# Altium PCB final_clock.PcbDoc (part 2 of 2)
Units mil, origin at the board's own origin, x right, y up, seen from the top; angles counter-clockwise.
Board outline 7111.84 x 2071.84 mil, 2 copper layers (Top Layer, Bottom Layer); 93 components, 137 nets, 490 pads, 222 vias.
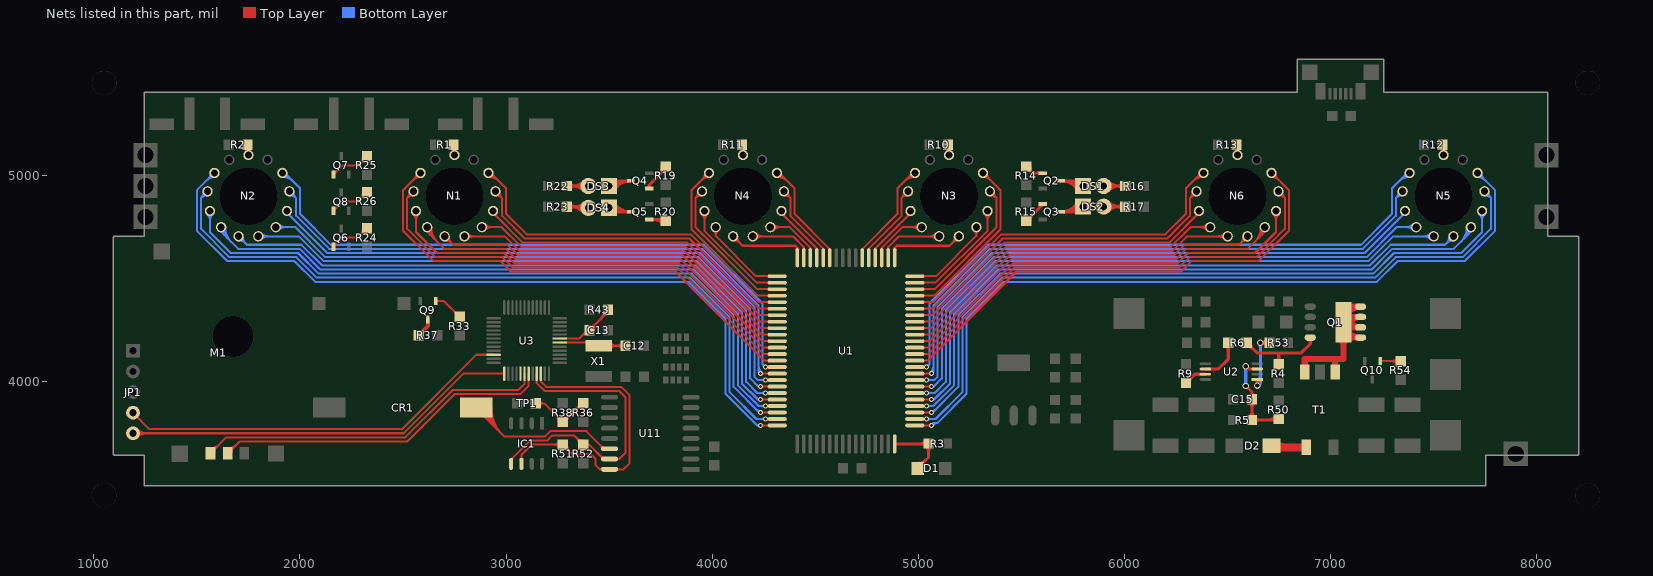
[diagram p2: the nets of this part, all layers, seen from the top]

## Via types
v1: diameter 30, hole 20, Top Layer to Bottom Layer, 170 vias
v2: diameter 25, hole 15, Top Layer to Bottom Layer, 28 vias
v3: diameter 20, hole 12, Top Layer to Bottom Layer, 20 vias
v4: diameter 40, hole 30, Top Layer to Bottom Layer, 4 vias

## Nets (pads, with @x,y where several pads share a name; then routed paths per layer and width w, separated by ;. In a path a pad name is that pad's centre, name@x,y a point inside that pad or via, vN(x,y) a via of type N, cw(c..) or ccw(c..) an arc to the next point about the centre after c; other vN are vias at no path point) (continued)
NetC12_2: C12.2 U3.6 X1.2 | length 525.8
  Top Layer w10: U3.6@3260.45,4190.16 3434.65,4190.16 X1.2@3450,4174.8 3554.8,4174.8 ; X1.2@3496.28,4165.92 cw(c3517.72,4144.48) 3517.72,4174.8 cw(c3517.72,4205.12) X1.2@3496.28,4183.68 ; X1.2@3503.35,4158.85 cw(c3541.86,4120.34) 3541.86,4174.8 cw(c3541.86,4229.27) X1.2@3503.35,4190.75 ; 3531.24,4174.8 ccw(c3531.24,4223.76) C12.2@3565.86,4189.14 ; 3532.19,4174.8 cw(c3532.19,4127.19) C12.2@3565.86,4160.86 ; C12.2@3555,4175 3554.8,4174.8 ; C12.2@3560.48,4179.35 cw(c3554.8,4180.62) 3554.8,4174.8 ; C12.2@3560.57,4170.27 ccw(c3554.8,4168.87) 3554.8,4174.8
NetC13_2: C13.2 R43.1 U3.7 | length 485.1
  Top Layer w10: U3.7@3260.45,4209.84 3354.84,4209.84 C13.2@3400,4255 ; C13.2@3405,4250 3495,4340 R43.1@3495,4350 ; C13.2@3405,4270 ccw(c3405,4318.28) 3439.14,4284.14 ccw(c3473.28,4250) C13.2@3425,4250 ; 3453.79,4298.79 ccw(c3402.57,4350) R43.1@3475,4350 ; 3470.86,4315.86 ccw(c3436.72,4350) R43.1@3485,4350 ; 3477.93,4322.93 cw(c3495,4305.86) R43.1@3495,4330
NetC15_1: C15.1 R5.2 R50.1 U2.3 | length 895.9
  Top Layer w15: v1@6590,3972.5 cw(c6590,3954.39) 6602.8,3967.2 cw(c6615.61,3980) v1@6597.5,3980 ; v1(6590,3980) 6620,3950 ; v1@6590,4067.5 cw(c6590,4049.39) 6602.8,4062.2 cw(c6615.61,4075) v1@6597.5,4075 ; v1(6590,4075) 6602.83,4062.17 U2.3@6645.98,4062.17 ; R5.2@6607.63,3826.74 ccw(c6577.75,3856.62) 6620,3856.62 ccw(c6662.25,3856.62) 6632.37,3826.74 ccw(c6662.25,3856.62) 6662.25,3814.37 ccw(c6662.25,3772.12) R5.2@6632.37,3802 ; C15.1@6607.63,3902 cw(c6577.75,3872.12) 6620,3872.12 cw(c6662.25,3872.12) C15.1@6632.37,3902 ; C15.1@6609.3,3928.22 ccw(c6592.48,3950) 6620,3950 ; C15.1@6630.7,3928.22 cw(c6647.52,3950) 6620,3950 ; 6695.68,3814.37 ccw(c6695.68,3873.69) R50.1@6737.63,3831.74 ; 6719.82,3814.37 cw(c6719.82,3789.19) R50.1@6737.63,3807 ; R50.1@6750,3819.37 6745,3814.37 R5.2@6620,3814.37 C15.1@6620,3914.37 6620,3950
  Bottom Layer w15: v1@6584.7,3985.3 ccw(c6571.89,3998.11) 6590,3998.11 ccw(c6608.11,3998.11) v1@6595.3,3985.3 ; v1@6584.7,4069.7 cw(c6571.89,4056.89) 6590,4056.89 cw(c6608.11,4056.89) v1@6595.3,4069.7 ; v1(6590,3980) v1(6590,4075)
NetCR1_1: CR1.1 U11.14 | length 1409.2
  Top Layer w10: CR1.1@2855,3875 2855,3870 2990,3735 3190,3735 3215,3760 3390,3760 3475,3675 U11.14@3502.17,3675 ; CR1.1@2878.74,3875 ccw(c2948.12,3875) CR1.1@2899.06,3825.94 ; CR1.1@2884.53,3830.79 cw(c2884.53,3807.41) 2901.06,3823.94 ; CR1.1@2888.74,3875 ccw(c2982.27,3875) 2916.13,3808.87 ; CR1.1@2898.74,3875 ccw(c3016.41,3875) 2933.2,3791.8 ; CR1.1@2908.74,3875 ccw(c3050.55,3875) 2950.28,3774.72 ; CR1.1@2918.74,3875 ccw(c3084.69,3875) 2967.35,3757.65 ; CR1.1@2928.74,3875 ccw(c3118.84,3875) 2984.42,3740.58 ; 3459.34,3690.66 cw(c3443.68,3675) U11.14@3465.83,3675 ; 3465.04,3684.96 ccw(c3472.64,3692.55) U11.14@3472.64,3681.81
NetD1_2: D1.2 R3.2 U1.40 | length 524.3
  Top Layer w10: R3.2@5048.23,3698.23 R3.2@5050,3700
  Top Layer w15: U1.40@4886.22,3698.23 R3.2@5048.23,3698.23 ; D1.2@4997.5,3580 5050,3632.5 R3.2@5050,3700 ; D1.2@4997.5,3604 ccw(c4997.5,3661.93) 5038.46,3620.96 ; 5003.47,3698.23 ccw(c5003.47,3746.53) R3.2@5037.63,3712.37 ; 5012.03,3698.23 cw(c5012.03,3662.03) 5037.63,3687.63 cw(c5007.75,3657.75) 5050,3657.75 cw(c5092.25,3657.75) R3.2@5062.37,3687.63 ; D1.2@5020,3581.5 cw(c5070.71,3581.5) 5034.85,3617.35
NetD2_1: D2.1 T1.4 | length 220.9
  Top Layer w40: D2.1@6715.55,3689.37 6723.62,3681.3 T1.4@6884.06,3681.3 ; D2.1@6734.63,3699.59 ccw(c6778.78,3743.74) 6778.78,3681.3
NetDS1_1: DS1.1 Q2.3 | length 342.3
  Top Layer w15: 5722.18,4975 cw(c5722.18,4898.61) DS1.1@5785.92,4940.7 ; 5750.06,4975 cw(c5750.06,4917.02) DS1.1@5798.44,4948.97 ; DS1.1@5773.4,4932.44 ccw(c5694.3,4880.2) Q2.3@5694.29,4975 5775,4975 DS1.1@5800,4950
NetDS1_2: DS1.2 R16.2 | length 356.2
  Top Layer w15: DS1.2@5900,4950 R16.2@6005,4950 ; DS1.2@5911.93,4938.07 cw(c5940.73,4909.27) 5940.73,4950 cw(c5940.73,4990.73) DS1.2@5911.93,4961.93 ; DS1.2@5922.54,4927.46 cw(c5976.94,4873.06) 5976.94,4950 cw(c5976.94,5026.94) DS1.2@5922.54,4972.54 ; R16.2@5992.63,4937.63 ccw(c5962.75,4907.75) 5962.75,4950 ccw(c5962.75,4992.25) R16.2@5992.63,4962.37
NetDS2_1: DS2.1 Q3.3 | length 342.3
  Top Layer w15: 5722.18,4825 ccw(c5722.18,4901.39) DS2.1@5785.92,4859.3 ; 5750.06,4825 ccw(c5750.06,4882.98) DS2.1@5798.44,4851.03 ; DS2.1@5773.4,4867.56 cw(c5694.3,4919.8) Q3.3@5694.29,4825 5775,4825 DS2.1@5800,4850
NetDS2_2: DS2.2 R17.2 | length 356.2
  Top Layer w15: DS2.2@5900,4850 R17.2@6005,4850 ; DS2.2@5911.93,4838.07 cw(c5940.73,4809.27) 5940.73,4850 cw(c5940.73,4890.73) DS2.2@5911.93,4861.93 ; DS2.2@5922.54,4827.46 cw(c5976.94,4773.06) 5976.94,4850 cw(c5976.94,4926.94) DS2.2@5922.54,4872.54 ; R17.2@5992.63,4837.63 ccw(c5962.75,4807.75) 5962.75,4850 ccw(c5962.75,4892.25) R17.2@5992.63,4862.37
NetDS3_1: DS3.1 Q4.3 | length 306.9
  Top Layer w15: DS3.1@3501.56,4948.97 cw(c3549.94,4917.02) 3549.94,4975 ; DS3.1@3514.08,4940.7 cw(c3577.82,4898.61) 3577.82,4975 ; DS3.1@3525,4975 Q4.3@3605.71,4975 ccw(c3605.7,4880.2) DS3.1@3526.6,4932.44
NetDS3_2: DS3.2 R22.2 | length 356.2
  Top Layer w15: R22.2@3295,4950 DS3.2@3400,4950 ; R22.2@3307.37,4937.63 cw(c3337.25,4907.75) 3337.25,4950 cw(c3337.25,4992.25) R22.2@3307.37,4962.37 ; DS3.2@3377.46,4927.46 ccw(c3323.06,4873.06) 3323.06,4950 ccw(c3323.06,5026.94) DS3.2@3377.46,4972.54 ; DS3.2@3388.07,4938.07 ccw(c3359.27,4909.27) 3359.27,4950 ccw(c3359.27,4990.73) DS3.2@3388.07,4961.93
NetDS4_1: DS4.1 Q5.3 | length 298.1
  Top Layer w15: DS4.1@3501.46,4845.26 ccw(c3543.48,4878.7) 3543.48,4825 ; DS4.1@3513.2,4854.6 ccw(c3574.59,4903.47) 3574.59,4825 ; DS4.1@3519.09,4825 Q5.3@3605.71,4825 cw(c3605.7,4928.23) DS4.1@3524.94,4863.94
NetDS4_2: DS4.2 R23.2 | length 334.1
  Top Layer w15: R23.2@3295,4850 DS4.2@3394.09,4850 ; R23.2@3307.37,4837.63 cw(c3337.25,4807.75) 3337.25,4850 cw(c3337.25,4892.25) R23.2@3307.37,4862.37 ; R23.2@3308.8,4850 cw(c3308.8,4752.9) DS4.2@3377.46,4821.56 ; 3337.32,4850 ccw(c3337.32,4906.78) DS4.2@3377.46,4866.63 ; 3345.01,4850 cw(c3345.01,4789.11) DS4.2@3388.07,4832.17
NetN1_1: N1.1 R1.1 | length 204.3
  Top Layer w15: R1.1@2733.35,5136.95 cw(c2700.15,5099.75) N1.1@2750,5099.75 ; N1.1@2737.63,5112.37 ccw(c2707.75,5142.25) 2750,5142.25 ccw(c2792.25,5142.25) N1.1@2762.37,5112.37 ; N1.1@2739.56,5114.04 ccw(c2733.51,5122.17) 2743.29,5124.79 ccw(c2753,5127.39) N1.1@2751.91,5117.4 ; R1.1@2745,5150 2750,5145 N1.1@2750,5100 ; N1.1@2750,5119.82 cw(c2775.18,5119.82) R1.1@2757.37,5137.63
NetN2_1: N2.1 R2.1 | length 204.3
  Top Layer w15: R2.1@1733.35,5136.95 cw(c1700.15,5099.75) N2.1@1750,5099.75 ; N2.1@1737.63,5112.37 ccw(c1707.75,5142.25) 1750,5142.25 ccw(c1792.25,5142.25) N2.1@1762.37,5112.37 ; N2.1@1739.56,5114.04 ccw(c1733.51,5122.17) 1743.29,5124.79 ccw(c1753,5127.39) N2.1@1751.91,5117.4 ; R2.1@1745,5150 1750,5145 N2.1@1750,5100 ; N2.1@1750,5119.82 cw(c1775.18,5119.82) R2.1@1757.37,5137.63
NetN3_1: N3.1 R10.1 | length 204.3
  Top Layer w15: R10.1@5133.35,5136.95 cw(c5100.15,5099.75) N3.1@5150,5099.75 ; N3.1@5137.63,5112.37 ccw(c5107.75,5142.25) 5150,5142.25 ccw(c5192.25,5142.25) N3.1@5162.37,5112.37 ; N3.1@5139.56,5114.04 ccw(c5133.51,5122.17) 5143.29,5124.79 ccw(c5153,5127.39) N3.1@5151.91,5117.4 ; R10.1@5145,5150 5150,5145 N3.1@5150,5100 ; N3.1@5150,5119.82 cw(c5175.18,5119.82) R10.1@5157.37,5137.63
NetN4_1: N4.1 R11.1 | length 204.3
  Top Layer w15: R11.1@4133.35,5136.95 cw(c4100.15,5099.75) N4.1@4150,5099.75 ; N4.1@4137.63,5112.37 ccw(c4107.75,5142.25) 4150,5142.25 ccw(c4192.25,5142.25) N4.1@4162.37,5112.37 ; N4.1@4139.56,5114.04 ccw(c4133.51,5122.17) 4143.29,5124.79 ccw(c4153,5127.39) N4.1@4151.91,5117.4 ; R11.1@4145,5150 4150,5145 N4.1@4150,5100 ; N4.1@4150,5119.82 cw(c4175.18,5119.82) R11.1@4157.37,5137.63
NetN5_1: N5.1 R12.1 | length 204.3
  Top Layer w15: R12.1@7533.35,5136.95 cw(c7500.15,5099.75) N5.1@7550,5099.75 ; N5.1@7537.63,5112.37 ccw(c7507.75,5142.25) 7550,5142.25 ccw(c7592.25,5142.25) N5.1@7562.37,5112.37 ; N5.1@7539.56,5114.04 ccw(c7533.51,5122.17) 7543.29,5124.79 ccw(c7553,5127.39) N5.1@7551.91,5117.4 ; R12.1@7545,5150 7550,5145 N5.1@7550,5100 ; N5.1@7550,5119.82 cw(c7575.18,5119.82) R12.1@7557.37,5137.63
NetN6_1: N6.1 R13.1 | length 197.3
  Top Layer w15: R13.1@6533.35,5136.95 cw(c6500.15,5099.75) N6.1@6550,5099.75 ; N6.1@6537.63,5112.37 ccw(c6507.75,5142.25) 6550,5142.25 ccw(c6592.25,5142.25) N6.1@6562.37,5112.37 ; N6.1@6539.56,5114.04 ccw(c6533.51,5122.17) 6543.29,5124.79 ccw(c6553,5127.39) N6.1@6551.91,5117.4 ; N6.1@6550,5100 R13.1@6550,5145 ; N6.1@6550,5119.82 cw(c6575.18,5119.82) R13.1@6557.37,5137.63
NetQ1_4: Q1.4 R4.2 R6.2 | length 598.2
  Top Layer w15: R6.2@6595,4171.87 cw(c6595,4129.62) 6624.87,4159.5 cw(c6654.75,4189.37) R6.2@6612.5,4189.37 ; R6.2@6595,4189.37 6644.37,4140 6752.19,4140 ; R4.2@6737.63,4096.74 ccw(c6707.75,4126.62) 6750,4126.62 ccw(c6792.25,4126.62) R4.2@6762.37,4096.74 ; R4.2@6750,4084.37 6750,4137.81 6752.19,4140 ; Q1.4@6897.12,4208.54 cw(c6883.04,4194.46) 6902.95,4194.46 cw(c6922.87,4194.46) Q1.4@6908.78,4208.54 ; Q1.4@6902.95,4214.37 6902.95,4182.95 6860,4140 6752.19,4140
NetQ1_5: Q1. Q1.5 Q1.6 Q1.7 Q1.8 T1.1 T1.3 | length 1254.2
  Top Layer w30: T1.1@6876.18,4047.44 6876.18,4110 7064.37,4110 7064.37,4270 7070,4264.37 Q1.6@7147.05,4264.37 cw(c7147.04,4333.91) Q1.@7085.82,4300.93 ; T1.3@7023.82,4047.44 7023.82,4105 ; Q1.@7047.14,4213.08 cw(c7005.54,4171.48) 7064.37,4171.48 cw(c7123.2,4171.48) Q1.@7081.6,4213.08 ; Q1.@7059.41,4286.7 ccw(c7096.81,4306.84) Q1.@7096.81,4264.37 ; Q1.@7059.41,4292.04 cw(c7096.81,4271.9) Q1.@7096.81,4314.37 ; Q1.@7066.14,4214.37 Q1.5@7147.05,4214.37 cw(c7147.04,4294.92) Q1.@7083.57,4245.32 ; Q1.@7066.93,4370.08 7072.64,4364.37 Q1.8@7147.05,4364.37 ccw(c7147.04,4283.82) Q1.@7083.57,4333.42 ; Q1.@7085.82,4277.81 cw(c7147.04,4244.83) Q1.7@7147.05,4314.37 Q1.@7089.37,4314.37
NetQ2_1: Q2.1 R14.1 | length 159.9
  Top Layer w15: R14.1@5525,5027.5 cw(c5525,4985.25) 5554.87,5015.13 cw(c5584.75,5045) R14.1@5542.5,5045 ; R14.1@5525,5045 5557.6,5012.4 Q2.1@5605,5012.4
NetQ3_1: Q3.1 R15.1 | length 209.6
  Top Layer w15: R15.1@5525,4780 5605,4860 Q3.1@5605,4862.4 ; R15.1@5525,4797.5 ccw(c5525,4839.75) 5554.87,4809.87 ccw(c5584.75,4780) R15.1@5542.5,4780 ; 5582.5,4837.5 ccw(c5557.6,4862.4) Q3.1@5592.81,4862.4
NetQ4_1: Q4.1 R19.1 | length 206.9
  Top Layer w15: Q4.1@3695,4937.6 3695,4955 3775,5035 R19.1@3775,5045 ; 3738.05,4998.05 ccw(c3691.11,5045) R19.1@3757.5,5045 ; R19.1@3762.2,5022.2 cw(c3775,5009.39) R19.1@3775,5027.5
NetQ5_1: Q5.1 R20.1 | length 174.6
  Top Layer w15: Q5.1@3695,4787.6 3767.4,4787.6 R20.1@3775,4780 ; Q5.1@3714.41,4787.6 cw(c3714.41,4719.41) R20.1@3762.63,4767.63 ; R20.1@3750.62,4787.6 cw(c3750.62,4755.62) R20.1@3773.23,4778.23 ; R20.1@3751.1,4787.6 ccw(c3751.1,4803.9) R20.1@3762.63,4792.37
NetQ6_1: Q6.1 R24.1 | length 303.4
  Top Layer w10: Q6.1@2162.6,4655 2207.6,4700 2280,4700 R24.1@2325,4745 ; Q6.1@2162.6,4669.69 ccw(c2162.6,4705.14) 2187.67,4680.07 ; R24.1@2305,4745 cw(c2256.72,4745) 2290.86,4710.86 cw(c2325,4676.72) R24.1@2325,4725
NetQ7_1: Q7.1 R25.1 | length 303.4
  Top Layer w10: Q7.1@2162.6,5005 2207.6,5050 2280,5050 R25.1@2325,5095 ; Q7.1@2162.6,5019.69 ccw(c2162.6,5055.14) 2187.67,5030.07 ; R25.1@2305,5095 cw(c2256.72,5095) 2290.86,5060.86 cw(c2325,5026.72) R25.1@2325,5075
NetQ8_1: Q8.1 R26.1 | length 303.4
  Top Layer w10: Q8.1@2162.6,4830 2207.6,4875 2280,4875 R26.1@2325,4920 ; Q8.1@2162.6,4844.69 ccw(c2162.6,4880.14) 2187.67,4855.07 ; R26.1@2305,4920 cw(c2256.72,4920) 2290.86,4885.86 cw(c2325,4851.72) R26.1@2325,4900
NetQ9_1: Q9.1 R33.2 | length 148.5
  Top Layer w10: Q9.1@2658.4,4392 2698,4392 R33.2@2775,4315
NetQ9_3: Q9.3 R37.1 | length 95.3
  Top Layer w20: R37.1@2576,4226 2621,4271 Q9.3@2621,4302.71
NetQ10_1: Q10.1 R54.1 | length 190.9
  Top Layer w10: Q10.1@7242.13,4100.12 R54.1@7342.52,4100.12 ; Q10.1@7244.85,4097.39 cw(c7251.44,4090.8) 7251.44,4100.12 cw(c7251.44,4109.43) Q10.1@7244.85,4102.85 ; R54.1@7328.38,4085.98 ccw(c7294.24,4051.83) 7294.24,4100.12 ccw(c7294.24,4148.4) R54.1@7328.38,4114.26
NetR6_1: R6.1 U2.6 | length 276.5
  Top Layer w15: U2.6@6394.02,4062.17 6457.17,4062.17 6505,4110 R6.1@6505,4189.37 ; R6.1@6492.63,4177 cw(c6462.75,4147.12) 6505,4147.12 cw(c6547.25,4147.12) R6.1@6517.37,4177
NetR9_1: R9.1 U2.7 | length 177.9
  Top Layer w15: R9.1@6300,3994.37 6342.2,4036.57 U2.7@6394.02,4036.57 ; R9.1@6300,4011.87 ccw(c6300,4054.12) 6329.87,4024.24 ccw(c6359.75,3994.37) R9.1@6317.5,3994.37
NetR36_1: R36.1 R38.2 TP1.2 | length 625.6
  Top Layer w10: TP1.2@3145,3895 3185,3895 ; TP1.2@3161,3883 cw(c3185,3865) 3185,3895 ; TP1.2@3161,3907 ccw(c3185,3925) 3185,3895 ; R38.2@3255,3805 ccw(c3206.72,3805) 3240.86,3839.14 ccw(c3275,3873.28) 3275,3825 ccw(c3275,3873.28) 3309.14,3839.14 ccw(c3343.28,3805) R38.2@3295,3805 ; 3323.79,3853.79 cw(c3375,3802.57) R36.1@3375,3875 ; 3340.86,3870.86 cw(c3375,3836.72) R36.1@3375,3885 ; 3347.93,3877.93 ccw(c3330.86,3895) R36.1@3355,3895 ; R36.1@3375,3895 3365,3895 R38.2@3275,3805 3185,3895
NetR53_1: R53.1 U2.1 | length 570
  Top Layer w15: v1@6640.68,3986.29 ccw(c6627.88,3999.09) 6645.98,3999.09 ccw(c6664.09,3999.09) v1@6651.29,3986.29 ; v1(6645.98,3980.98) U2.1@6645.98,4005 ; v1(6660.63,4189.37) R53.1@6705,4189.37 ; v1@6664.38,4182.87 cw(c6674.37,4165.57) 6679.54,4184.87 ; v1@6664.38,4195.87 ccw(c6674.37,4213.17) 6679.54,4193.87 ; v1@6665.93,4184.07 cw(c6678.74,4171.26) 6678.74,4189.37 cw(c6678.74,4207.48) v1@6665.93,4194.67 ; v1@6667.13,4185.62 cw(c6681.18,4177.5) 6676.98,4193.18 ; v1@6667.13,4193.12 ccw(c6681.18,4201.24) 6676.98,4185.56 ; R53.1@6692.63,4177 ccw(c6662.75,4147.12) 6662.75,4189.37 ccw(c6662.75,4231.62) R53.1@6692.63,4201.74
  Bottom Layer w15: v1@6640.68,3986.29 ccw(c6592.52,4034.45) 6660.63,4034.45 ; v1(6645.98,3980.98) 6660.63,3995.63 v1(6660.63,4189.37) ; v1@6651.29,3975.68 ccw(c6628.73,3998.24) 6660.63,3998.24 ; v1@6655.33,4184.07 cw(c6642.52,4171.26) 6660.63,4171.26 cw(c6678.74,4171.26) v1@6665.93,4184.07
OUT1-1: N1.3 U1.14 | length 2516.4
  Top Layer w10: 2549.42,4978.65 cw(c2585.35,4942.72) N1.3@2585.35,4993.54 ; 2551.95,4981.19 ccw(c2519.61,5013.54) N1.3@2565.35,5013.54 ; 2566.49,4995.73 cw(c2585.35,4976.86) N1.3@2585.35,5003.54 ; N1.3@2585.41,5013.63 2584.39,5013.63 2500,4929.24 2500,4733.43 2648.43,4585 2973.73,4585 3023.73,4535 3822.31,4535 4254.55,4102.76 U1.14@4316.34,4102.76 ; U1.14@4277.07,4097.94 ccw(c4265.45,4086.31) 4265.45,4102.76 ccw(c4265.45,4119.2) U1.14@4277.07,4107.57
OUT1-2: N1.4 U1.13 | length 2335.8
  Top Layer w10: N1.4@2531.48,4922.86 cw(c2492.12,4920.55) 2520,4892.67 ; N1.4@2550.18,4904.07 ccw(c2547.7,4864.97) 2520,4892.67 ; N1.4@2551.46,4924.13 2520,4892.67 ; U1.13@4277.07,4129.44 ccw(c4265.45,4117.81) 4265.45,4134.25 ccw(c4265.45,4150.7) U1.13@4277.07,4139.07 ; U1.13@4316.34,4134.25 4251.34,4134.25 3830.59,4555 3032.01,4555 2982.01,4605 2656.72,4605 2520,4741.72 2520,4892.67
OUT1-3: N1.5 U1.12 | length 2189.6
  Top Layer w10: N1.5@2548.88,4814.87 cw(c2514.83,4780.82) 2562.99,4780.82 ; 2562.99,4780.64 cw(c2611.4,4780.64) N1.5@2577.16,4814.87 ; N1.5@2562.99,4829.11 2562.99,4727.01 2665,4625 2990.29,4625 3040.29,4575 3838.87,4575 4248.13,4165.75 U1.12@4316.34,4165.75 ; U1.12@4277.07,4160.93 ccw(c4265.45,4149.3) 4265.45,4165.75 ccw(c4265.45,4182.19) U1.12@4277.07,4170.56
OUT1-4: N1.6 U1.11 | length 2153.1
  Top Layer w10: N1.6@2617.35,4750.32 2617.35,4727.65 2700,4645 2998.58,4645 3048.58,4595 3847.16,4595 4244.91,4197.24 U1.11@4316.34,4197.24 ; N1.6@2617.42,4750.26 ccw(c2672.18,4750.26) 2633.46,4711.54 ; N1.6@2627.42,4750.26 ccw(c2706.32,4750.26) 2650.53,4694.47 ; N1.6@2637.42,4750.26 ccw(c2740.46,4750.26) 2667.6,4677.4 ; U1.11@4277.07,4192.43 ccw(c4265.45,4180.8) 4265.45,4197.24 ccw(c4265.45,4213.69) U1.11@4277.07,4202.06
OUT1-5: N1.7 U1.10 | length 1913.5
  Top Layer w10: N1.7@2702.09,4705.82 2742.91,4665 3006.86,4665 3056.86,4615 3855.44,4615 4241.7,4228.74 U1.10@4316.34,4228.74 ; N1.7@2702.19,4685.8 cw(c2702.19,4637.7) 2736.2,4671.71 ; N1.7@2722.19,4705.8 ccw(c2770.66,4705.8) 2736.39,4671.53 ; U1.10@4277.07,4223.92 ccw(c4265.45,4212.3) 4265.45,4228.74 ccw(c4265.45,4245.18) U1.10@4277.07,4233.56
OUT1-6: N1.8 U1.9 | length 1804.8
  Top Layer w10: N1.8@2797.81,4705.8 2994.35,4705.8 3065.15,4635 3863.73,4635 4238.49,4260.24 U1.9@4316.34,4260.24 ; N1.8@2812.05,4691.68 cw(c2846.13,4657.6) 2846.13,4705.8 ; N1.8@2812.05,4719.97 ccw(c2846.25,4754.17) 2846.25,4705.8 ; U1.9@4277.07,4255.42 ccw(c4265.45,4243.79) 4265.45,4260.24 ccw(c4265.45,4276.68) U1.9@4277.07,4265.05
OUT1-7: N1.9 U1.8 | length 1725.4
  Top Layer w10: N1.9@2882.58,4750.26 2978.18,4750.26 3073.43,4655 3872.01,4655 4235.28,4291.73 U1.8@4316.34,4291.73 ; N1.9@2896.8,4736.18 cw(c2930.77,4702.21) 2930.77,4750.26 ; N1.9@2896.8,4764.47 ccw(c2931.11,4798.78) 2931.11,4750.26 ; U1.8@4277.07,4286.92 ccw(c4265.45,4275.29) 4265.45,4291.73 ccw(c4265.45,4308.18) U1.8@4277.07,4296.55
OUT1-8: N1.10 U1.7 | length 1620.1
  Top Layer w10: N1.10@2936.98,4829.01 2936.98,4819.74 3081.72,4675 3880.29,4675 4232.07,4323.23 U1.7@4316.34,4323.23 ; U1.7@4277.07,4318.41 ccw(c4265.45,4306.79) 4265.45,4323.23 ccw(c4265.45,4339.67) U1.7@4277.07,4328.04
OUT1-9: N1.11 U1.6 | length 1747.6
  Top Layer w10: N1.11@2948.55,4924.03 2980,4892.58 ; N1.11@2949.66,4904.16 cw(c2951.89,4864.47) 2980,4892.58 ; N1.11@2968.5,4922.91 ccw(c3007.93,4920.51) 2980,4892.58 ; U1.6@4277.07,4349.91 ccw(c4265.45,4338.28) 4265.45,4354.72 ccw(c4265.45,4371.17) U1.6@4277.07,4359.54 ; U1.6@4316.34,4354.72 4228.85,4354.72 3888.58,4695 3091.72,4695 2981.72,4805 2980,4805 2980,4892.58
OUT1-10: N1.12 U1.5 | length 1877.7
  Top Layer w10: N1.12@2914.59,4993.63 cw(c2914.59,4916.89) 2968.85,4971.15 ; N1.12@2914.59,5003.63 cw(c2914.59,4951.03) 2951.78,4988.22 ; N1.12@2914.65,5013.54 2926.46,5013.54 3000,4940 3000,4815 3100,4715 3896.86,4715 4225.64,4386.22 U1.5@4316.34,4386.22 ; N1.12@2934.59,5013.63 ccw(c2954.42,5013.63) 2940.4,4999.6 ; U1.5@4277.07,4381.4 ccw(c4265.45,4369.78) 4265.45,4386.22 ccw(c4265.45,4402.66) U1.5@4277.07,4391.04
OUT2-1: N2.3 U1.24 | length 3911.9
  Top Layer w10: v2(4235,3787.8) U1.24@4316.34,3787.8 ; v2@4240.3,3782.49 cw(c4253.11,3769.69) 4253.11,3787.8 cw(c4253.11,3805.9) v2@4240.3,3793.1 ; U1.24@4277.07,3782.98 ccw(c4265.45,3771.35) 4265.45,3787.8 ccw(c4265.45,3804.24) U1.24@4277.07,3792.61
  Bottom Layer w10: 1549.42,4978.65 cw(c1585.35,4942.72) N2.3@1585.35,4993.54 ; 1551.95,4981.19 ccw(c1519.61,5013.54) N2.3@1565.35,5013.54 ; 1566.49,4995.73 cw(c1585.35,4976.86) N2.3@1585.35,5003.54 ; N2.3@1585.41,5013.63 1584.39,5013.63 1500,4929.24 1500,4733.43 1648.43,4585 1973.73,4585 2073.73,4485 3885.44,4485 4065,4305.44 4065,3941.72 4218.92,3787.8 ; v2@4229.25,3782.98 ccw(c4218.92,3774.31) 4218.92,3787.8 ; v2@4229.25,3792.61 cw(c4218.92,3801.28) 4218.92,3787.8 ; v2(4235,3787.8) 4218.92,3787.8
OUT2-2: N2.4 U1.23 | length 3736.2
  Top Layer w10: v2(4258.74,3819.29) U1.23@4316.34,3819.29 ; v2@4264.04,3813.99 cw(c4276.85,3801.18) 4276.85,3819.29 cw(c4276.85,3837.4) v2@4264.04,3824.59 ; U1.23@4277.07,3814.48 ccw(c4265.45,3802.85) 4265.45,3819.29 ccw(c4265.45,3835.73) U1.23@4277.07,3824.11
  Bottom Layer w10: N2.4@1531.48,4922.86 cw(c1492.12,4920.55) 1520,4892.67 ; N2.4@1550.18,4904.07 ccw(c1547.7,4864.97) 1520,4892.67 ; N2.4@1551.46,4924.13 1520,4892.67 ; v2@4253.44,3813.99 ccw(c4240.63,3801.18) 4240.63,3819.29 ccw(c4240.63,3837.4) v2@4253.44,3824.59 ; v2(4258.74,3819.29) 4215.71,3819.29 4085,3950 4085,4313.73 3893.73,4505 2082.01,4505 1982.01,4605 1656.72,4605 1520,4741.72 1520,4892.67
OUT2-3: N2.5 U1.22 | length 3576.6
  Top Layer w10: v2(4235,3850.79) U1.22@4316.34,3850.79 ; v2@4240.3,3845.48 cw(c4253.11,3832.68) 4253.11,3850.79 cw(c4253.11,3868.89) v2@4240.3,3856.09 ; U1.22@4277.07,3845.97 ccw(c4265.45,3834.34) 4265.45,3850.79 ccw(c4265.45,3867.23) U1.22@4277.07,3855.6
  Bottom Layer w10: N2.5@1548.88,4814.87 cw(c1514.83,4780.82) 1562.99,4780.82 ; 1562.99,4780.64 cw(c1611.4,4780.64) N2.5@1577.16,4814.87 ; N2.5@1562.99,4829.11 1562.99,4727.01 1665,4625 1990.29,4625 2090.29,4525 3902.01,4525 4105,4322.01 4105,3975.15 4229.36,3850.79 v2(4235,3850.79) ; 4212.57,3867.58 ccw(c4235,3890.01) v2@4235,3858.29
OUT2-4: N2.6 U1.21 | length 3543.6
  Top Layer w10: v2(4258.74,3882.28) U1.21@4316.34,3882.28 ; v2@4264.04,3876.98 cw(c4276.85,3864.18) 4276.85,3882.28 cw(c4276.85,3900.39) v2@4264.04,3887.59 ; U1.21@4277.07,3877.47 ccw(c4265.45,3865.84) 4265.45,3882.28 ccw(c4265.45,3898.73) U1.21@4277.07,3887.1
  Bottom Layer w10: N2.6@1617.35,4750.32 1617.35,4727.65 1700,4645 1998.58,4645 2098.58,4545 3910.29,4545 4125,4330.29 4125,3983.43 4226.15,3882.28 v2(4258.74,3882.28) ; N2.6@1617.42,4750.26 ccw(c1672.18,4750.26) 1633.46,4711.54 ; N2.6@1627.42,4750.26 ccw(c1706.32,4750.26) 1650.53,4694.47 ; N2.6@1637.42,4750.26 ccw(c1740.46,4750.26) 1667.6,4677.4 ; v2@4253.44,3876.98 ccw(c4240.63,3864.18) 4240.63,3882.28 ccw(c4240.63,3900.39) v2@4253.44,3887.59
OUT2-5: N2.7 U1.20 | length 3275.6
  Top Layer w10: v2(4235,3913.78) U1.20@4316.34,3913.78 ; v2@4240.3,3908.48 cw(c4253.11,3895.67) 4253.11,3913.78 cw(c4253.11,3931.89) v2@4240.3,3919.08 ; U1.20@4277.07,3908.96 ccw(c4265.45,3897.34) 4265.45,3913.78 ccw(c4265.45,3930.22) U1.20@4277.07,3918.6
  Bottom Layer w10: N2.7@1702.09,4705.82 1742.91,4665 2006.86,4665 2106.86,4565 3918.58,4565 4145,4338.58 4145,3991.72 4222.94,3913.78 v2(4235,3913.78) ; N2.7@1702.19,4685.8 cw(c1702.19,4637.7) 1736.2,4671.71 ; N2.7@1722.19,4705.8 ccw(c1770.66,4705.8) 1736.39,4671.53
OUT2-6: N2.8 U1.19 | length 3195.3
  Top Layer w10: v2(4258.74,3945.28) U1.19@4316.34,3945.28 ; v2@4264.04,3939.97 cw(c4276.85,3927.17) 4276.85,3945.28 cw(c4276.85,3963.38) v2@4264.04,3950.58 ; U1.19@4277.07,3940.46 ccw(c4265.45,3928.83) 4265.45,3945.28 ccw(c4265.45,3961.72) U1.19@4277.07,3950.09
  Bottom Layer w10: N2.8@1797.81,4705.8 1994.35,4705.8 2115.15,4585 3926.86,4585 4165,4346.86 4165,4000 4219.72,3945.28 v2(4258.74,3945.28) ; N2.8@1812.05,4691.68 cw(c1846.13,4657.6) 1846.13,4705.8 ; N2.8@1812.05,4719.97 ccw(c1846.25,4754.17) 1846.25,4705.8 ; v2@4253.44,3939.97 ccw(c4240.63,3927.17) 4240.63,3945.28 ccw(c4240.63,3963.38) v2@4253.44,3950.58